# Allegro board PCIe3_0_X16_V1_0-166-20240802_20240828_pcb.brd (continued)
## Copper pours and planes (outline as drawn; the poured copper is in the pictures) (continued)
GND on BOTTOM (solid shape): 185.91,67.11 185.91,62.71 185.88,62.69 185.73,62.69 185.73,62.69 178.95,62.69 178.39,62.13 178.39,58.16 178.28,58.05 177.62,58.05 177.57,58.1 177.57,59.81 177.43,59.95 175.49,59.95 175.29,59.74 175.29,57.07 174.88,56.67 168.71,56.67 168.38,57 168.38,58.85 168.88,59.35 168.88,62 168.38,62.5 168.38,63.02 183.52,63.02 183.52,63.04 185.58,63.04 185.58,63.3 185.27,63.3 185.27,63.04 184.54,63.04 184.54,63.32 184.23,63.32 184.23,63.04 183.52,63.04 183.52,63.32 183.21,63.32 183.21,63.02 168.38,63.02 168.38,63.32 181.61,63.32 181.61,63.6 181.21,63.6 181.21,63.32 168.38,63.32 168.38,66.57 185.3,66.57 185.3,66.88 184.99,66.88 184.99,66.57 168.38,66.57 168.38,66.58 168.97,67.17 185.85,67.17
GND on BOTTOM (solid shape): 41.66,73.93 40.51,73.93 40.39,74.06 40.39,76.19 40.31,76.27 25.83,76.27 25.78,76.21 25.78,64.33 25.88,64.23 40.28,64.23 40.44,64.38 40.44,67.17 41.53,67.17 41.61,67.1 41.61,59.6 40.51,59.6 40.46,59.65 40.46,61.89 40.34,62.02 25.93,62.02 25.78,61.86 25.78,50.1 25.88,50 40.34,50 40.46,50.13 40.46,52.87 40.51,52.92 41.53,52.92 41.63,52.82 41.63,45.48 41.58,45.43 40.51,45.43 40.41,45.53 40.41,47.67 40.31,47.77 25.88,47.77 25.78,47.67 25.78,35.83 25.88,35.73 40.23,35.73 40.39,35.88 40.39,38.65 40.41,38.67 41.5,38.67 41.58,38.6 41.58,31.16 41.53,31.1 40.46,31.1 40.41,31.16 40.41,33.36 40.26,33.52 25.93,33.52 25.78,33.36 25.78,21.55 25.91,21.43 40.26,21.43 40.44,21.6 40.44,24.37 41.53,24.37 41.53,19.22 41.43,19.12 0.89,19.12 0.66,19.34 0.66,78.25 0.79,78.37 41.66,78.37
GND on BOTTOM (solid shape): 185.91,89.46 185.91,85.07 185.88,85.04 185.73,85.04 185.73,85.04 178.95,85.04 178.39,84.48 178.39,82.32 178.36,82.3 175.49,82.3 175.29,82.09 175.29,79 174.7,78.4 166.54,78.4 166.27,78.68 166.27,80.53 166.52,80.79 168.15,80.79 168.17,80.81 168.68,80.81 168.88,81.02 168.88,84.57 168.81,84.65 168.61,84.65 168.38,84.87 168.38,85.37 183.52,85.37 183.52,85.4 185.58,85.4 185.58,85.65 185.27,85.65 185.27,85.4 184.54,85.4 184.54,85.68 184.23,85.68 184.23,85.4 183.52,85.4 183.52,85.68 183.21,85.68 183.21,85.37 168.38,85.37 168.38,85.68 181.61,85.68 181.61,85.96 181.21,85.96 181.21,85.68 168.38,85.68 168.38,88.93 184.28,88.93 184.99,88.93 185.3,88.93 185.3,89.23 184.99,89.23 184.99,88.93 184.28,88.93 184.28,89.18 183.97,89.18 183.97,88.93 168.38,88.93 168.38,88.94 168.97,89.52 185.85,89.52
GND on BOTTOM (solid shape): 127.24,95.89 129.83,95.89 130.09,95.62 130.09,90.09 131.71,88.47 131.71,66.12 131.58,65.99 130.67,65.99 130.54,66.12 130.54,73.63 130.82,73.91 130.82,76.45 130.41,76.86 128.97,76.86 128.96,76.87 128.04,76.87 127.81,77.09 127.81,78.66 127.53,78.94 124.51,78.94 123.65,79.81 123.65,79.95 123.75,80.23 123.65,80.51 123.65,80.8 123.75,80.9 125.04,80.9 125.32,80.8 125.6,80.9 125.96,80.9 126.16,81.1 126.16,87.48 126.19,87.55 126.27,87.58 126.71,87.99 126.27,88.39 126.19,88.42 126.16,88.49 126.16,92.11 126.76,92.71 126.76,95.45 127.2,95.9 127.23,95.9
GND on BOTTOM (solid shape): outline of 109 points within 87.56,71.98 90.89,74.45
GND on BOTTOM (solid shape): outline of 450 points within 45.36,16.31 60.38,26.59
GND on BOTTOM (solid shape): outline of 527 points within 130.66,15.49 143.33,30.86
GND on BOTTOM (solid shape): outline of 739 points within 18.54,3.59 212.16,110.52
GND on GND02 (solid shape): outline of 98494 points within 0.64,0.64 212.16,110.52
GND on ART03 (solid shape): outline of 12162 points within 0.64,0.64 212.16,110.52
GND on GND04 (solid shape): outline of 98272 points within 0.64,0.64 212.16,110.52
GND on ART05 (solid shape): outline of 34231 points within 0.64,0.69 212.16,110.52
GND on GND06 (solid shape): outline of 98272 points within 0.64,0.64 212.16,110.52
GND on POWER07 (solid shape): outline of 15361 points within 0.64,0.64 212.16,110.52
GND on POWER08 (solid shape): outline of 9083 points within 0.64,0.64 212.16,110.52
GND on GND09 (solid shape): outline of 98272 points within 0.64,0.64 212.16,110.52
GND on ART10 (solid shape): outline of 5442 points within 0.64,0.64 212.16,110.52
GND on GND11 (solid shape): outline of 98272 points within 0.64,0.64 212.16,110.52
GND on ART12 (solid shape): outline of 125 points within 58.74,0.64 129.87,12.8
GND on ART12 (solid shape): outline of 16179 points within 0.64,0.64 212.16,110.52
GND on GND13 (solid shape): outline of 98531 points within 0.64,0.64 212.16,110.52
VCC1V2 on TOP (solid shape): 164.82,74.68 164.82,63.15 164.33,62.66 164.33,57.53 163.75,56.95 159.28,56.95 158.9,57.33 158.9,74.91 159.1,75.11 164.39,75.11
VCC1V2 on TOP (solid shape): 141.01,100.66 141.01,98.3 140.8,98.09 134.73,98.09 134.61,98.22 134.61,98.86 134.73,98.98 138.67,98.98 139.05,99.36 139.05,100.76 139.18,100.89 140.78,100.89
VCC1V2 on TOP (solid shape): 97.69,86.46 97.69,85.5 97.28,85.09 90.47,85.09 88.21,82.83 88.21,34.04 85.41,31.23 85.41,29.41 85.28,29.29 84.75,29.29 84.69,29.34 84.69,30.61 84.54,30.76 82.81,30.76 82.64,30.94 82.64,32.38 86.41,36.16 86.41,48.38 86.49,48.63 86.41,48.88 86.41,83.31 89.76,86.66 97.49,86.66
VCC1V2 on BOTTOM (solid shape): 164.37,71.31 164.37,57.18 164.14,56.95 159.75,56.95 159.15,57.55 159.15,71.85 159.2,71.9 163.78,71.9
VCC1V2 on ART03 (solid shape): outline of 1257 points within 123.66,56.67 164.21,100.76
VCC1V2 on ART12 (solid shape): outline of 3534 points within 94.64,85.95 141.58,105.33
VCC1V2_VCCO on BOTTOM (solid shape): 158.36,71.9 158.36,62.37 158.21,62.22 156.56,62.22 156.33,62.45 156.33,71.72 156.64,72.02 158.24,72.02
VCC1V2_VCCO on BOTTOM (solid shape): outline of 1010 points within 87.41,66.71 96.95,71.58
VCC1V2_VCCO on BOTTOM (solid shape): outline of 4614 points within 114.81,51.1 130.14,63.7
VCC1V2_VCCO on POWER07 (solid shape): outline of 66093 points within 67.28,34.49 164.54,93.22
VCC1V5_MGT on TOP (solid shape): 169.93,34.22 169.93,29.01 168.08,27.15 168.08,20.44 168.06,20.43 168.06,16.02 167.46,15.42 143.05,15.42 142.84,15.63 142.84,17.73 143.43,17.73 143.43,18.06 143.13,18.06 143.13,17.73 142.84,17.73 142.84,21.78 143.23,22.17 152.65,22.17 164.83,34.35 166.26,34.35 166.27,34.37 169.78,34.37
VCC1V5_MGT on BOTTOM (solid shape): 168.05,25.12 168.05,20.42 167.82,20.19 164.95,20.19 164.67,20.47 164.67,25.12 164.95,25.4 167.77,25.4
VCC1V8 on TOP (solid shape): 169.93,53.27 169.93,48.06 168.1,46.23 168.1,42.8 168.12,42.78 168.12,38.2 167.92,38 163.07,38 162.84,38.23 162.84,52.65 163.6,53.42 169.78,53.42
VCC1V8 on BOTTOM (solid shape): 168.05,44.17 168.05,38.25 167.8,38 164.95,38 164.44,38.51 164.44,44.27 164.62,44.45 167.77,44.45
VCC1V8 on BOTTOM (solid shape): 113.54,109.23 113.54,104.08 113.42,103.96 112.89,103.96 110.55,103.96 110.45,103.86 110.45,101.96 110.3,101.8 109.8,101.8 109.71,101.71 109.71,101.21 109.54,101.04 105.75,101.04 105.67,101.12 105.67,102.42 106.12,102.87 106.12,106.01 109,108.89 113.27,108.89 113.27,109.17 112.96,109.17 112.96,108.89 109,108.89 109.61,109.5 113.27,109.5
VCC1V8 on BOTTOM (solid shape): outline of 1270 points within 62.43,51.36 104.94,63.91
VCC1V8 on POWER07 (solid shape): outline of 24648 points within 26.54,17.04 199.92,109.45
VCC1V8 on ART10 (solid shape): outline of 4810 points within 106.27,37.54 167.39,108.53
VCC1V8_AUX on BOTTOM (solid shape): outline of 2730 points within 101.68,69.57 114.89,100.66
VCC1V8_VCCO on BOTTOM (solid shape): 111.49,98.88 111.49,96.27 111.39,96.16 107.55,96.16 107.47,96.25 107.47,97.31 107.78,97.62 107.78,99.97 107.99,100.18 110.2,100.18
VCC1V8_VCCO on ART05 (solid shape): outline of 26946 points within 90.7,50.75 127.59,99.14
VCC2V5 on TOP (solid shape): 131.07,91.31 131.07,89.48 130.92,89.33 128.86,89.33 128.74,89.46 128.74,91.34 128.81,91.41 130.97,91.41
VCC2V5_DDR4 on TOP (solid shape): outline of 1526 points within 69.48,33.81 148.22,94.67
VCC3V3 on TOP (solid shape): 24.61,16.32 24.61,14.77 24.54,14.7 22.91,14.7 22.73,14.87 22.73,16.35 22.86,16.47 24.46,16.47
VCC3V3 on TOP (solid shape): 52.86,76.16 52.86,68.01 52.78,67.93 51.03,67.93 50.72,68.24 50.72,76.06 50.95,76.29 52.73,76.29
VCC3V3 on TOP (solid shape): 52.86,61.91 52.86,53.76 52.78,53.68 51.03,53.68 50.72,53.99 50.72,61.81 50.95,62.04 52.73,62.04
VCC3V3 on TOP (solid shape): 52.86,47.66 52.86,40.78 52.32,40.25 50.8,40.25 50.72,40.32 50.72,47.56 50.95,47.79 52.73,47.79
VCC3V3 on TOP (solid shape): 52.86,33.41 52.86,26.71 52.15,26 50.77,26 50.72,26.05 50.72,33.31 50.95,33.54 52.73,33.54
VCC3V3 on TOP (solid shape): 99.58,106.96 99.58,105.36 99.48,105.26 96.78,105.26 96.73,105.31 96.73,106.98 96.91,107.16 99.38,107.16
VCC3V3 on TOP (solid shape): 90.09,31.62 90.09,29.87 89.76,29.54 89.49,29.54 89.42,29.46 88.73,29.46 88.63,29.57 88.63,31.53 88.8,31.7 90.02,31.7
VCC3V3 on TOP (solid shape): 126.76,100.46 128.43,100.46 128.51,100.38 128.51,99.01 128.41,98.91 126.83,98.91 126.53,99.21 125.14,99.21 125.09,99.26 125.09,100.9 125.25,101.06 126.15,101.06
VCC3V3 on TOP (solid shape): 88.15,107.08 88.15,105.36 88.05,105.26 85.8,105.26 85.57,105.49 85.14,105.49 85.01,105.61 85.01,107.04 85.14,107.16 88.06,107.16
VCC3V3 on TOP (solid shape): 205.29,86.42 205.29,81.87 205.13,81.72 199.93,81.72 198.1,83.55 194.67,83.55 194.65,83.53 190.06,83.53 189.87,83.73 189.87,86.27 190.34,86.74 204.96,86.74
VCC3V3 on BOTTOM (solid shape): 196.32,86.45 196.32,83.88 196.04,83.6 190.12,83.6 189.87,83.86 189.87,86.32 190.25,86.7 196.07,86.7
VCC3V3 on BOTTOM (solid shape): 96.8,95.94 96.8,93.78 96.72,93.7 95.43,93.7 95.22,93.9 95.22,95.96 95.43,96.16 96.57,96.16
VCC3V3 on BOTTOM (solid shape): 37.74,94.17 37.74,92.65 37.52,92.42 36.98,92.42 36.75,92.19 36.75,89.85 36.98,89.63 37.62,89.63 37.95,89.3 37.95,84.29 37.67,84.01 35.61,84.01 35.46,84.16 35.46,84.75 37.57,84.75 37.57,85.05 37.24,85.05 37.24,84.75 35.46,84.75 35.46,93.94 35.84,94.32 37.59,94.32
VCC3V3 on ART05 (solid shape): outline of 807 points within 51.94,17.14 134.91,29.77
VCC3V3 on POWER08 (solid shape): outline of 60861 points within 23.29,11.73 195.97,109.45
VCC12V_FAN on TOP (solid shape): 176.71,105.53 176.71,101.67 176.5,101.46 174.52,101.46 174.37,101.61 174.37,102.15 174.39,102.18 174.42,102.2 175.01,102.2 175.01,102.5 174.42,102.5 174.39,102.52 174.37,102.55 174.37,102.78 174.39,102.82 174.42,102.83 175.01,102.83 175.01,103.19 174.42,103.19 174.39,103.2 174.37,103.24 174.37,103.49 174.4,103.52 175.16,103.52 175.36,103.72 175.36,105.81 175.41,105.86 176.38,105.86
VCC12V_IN on TOP (solid shape): 177.3,81.89 178.29,81.89 178.41,81.76 178.41,79.61 178.24,79.43 176.15,79.43 175.9,79.68 175.9,81.89 176.12,82.12 177.07,82.12
VCC12V_IN on TOP (solid shape): 177.3,59.54 178.29,59.54 178.41,59.41 178.41,57.25 178.24,57.08 176.1,57.08 175.87,57.3 175.87,59.46 176.17,59.77 177.07,59.77
VCC12V_IN on TOP (solid shape): 177.3,40.36 178.29,40.36 178.41,40.24 178.41,38.08 178.24,37.9 176.07,37.9 175.87,38.1 175.87,40.41 176.05,40.59 177.07,40.59
VCC12V_IN on TOP (solid shape): 177.3,21.31 178.29,21.31 178.41,21.19 178.41,19.03 178.24,18.85 175.98,18.85 175.86,18.97 175.86,21.31 176.09,21.54 177.07,21.54
VCC12V_IN on TOP (solid shape): 192.46,75.56 192.46,74.59 192.23,74.36 192.23,73.37 192.1,73.24 189.95,73.24 189.77,73.42 189.77,75.59 189.97,75.79 192.23,75.79
VCC12V_IN on TOP (solid shape): 192.46,44.32 192.46,43.2 192.23,42.97 192.23,41.98 192.1,41.85 189.95,41.85 189.77,42.03 189.77,44.15 190.01,44.38 192.39,44.38
VCC12V_IN on TOP (solid shape): 165.55,103.8 167.92,103.8 167.95,103.82 168.35,103.82 168.5,103.67 168.5,102 168.33,101.82 165.74,101.82 165.38,102.17 165.38,103.7 165.51,103.82 165.53,103.82
VCC12V_IN on TOP (solid shape): 52.25,16.84 52.25,13.55 51.71,13.02 50.19,13.02 50.07,12.9 49.76,12.71 49.57,12.4 49.46,12.29 49.46,10.83 48.12,9.48 48.12,7.33 48.01,7.22 48.01,1.35 47.99,1.31 47.96,1.3 47.95,1.29 45.41,1.29 45.39,1.31 45.39,5.4 45.64,5.64 45.64,13.8 46.13,14.49 45.64,15.19 45.64,16.96 45.85,17.17 51.92,17.17
VCC12V_IN on BOTTOM (solid shape): 53.54,16.03 53.54,13.65 52.83,12.94 49.68,12.94 49.26,12.52 49.26,10.57 48.03,9.34 48.03,1.37 47.97,1.31 46.34,1.31 46.33,1.32 46.29,1.34 46.28,1.37 46.28,15.94 46.38,16.04 53.53,16.04
VCC12V_IN on ART10 (solid shape): outline of 15843 points within 45.95,6.06 197.03,103.46
FPGA_VCCINT_0V85 on TOP (solid shape): 164.82,97.03 164.82,85.34 164.39,84.92 164.39,81.33 164.82,80.9 164.82,79.68 164.81,79.68 164.81,78.52 164.49,78.2 159.31,78.2 158.9,78.61 158.9,97.26 159.1,97.46 164.39,97.46
FPGA_VCCINT_0V85 on BOTTOM (solid shape): outline of 326 points within 124.6,66.6 130.54,75.36
FPGA_VCCINT_0V85 on BOTTOM (solid shape): outline of 2704 points within 114.89,78.23 164.82,109.18
FPGA_VCCINT_0V85 on POWER07 (solid shape): outline of 25796 points within 102.06,52.04 164.54,109.45
FPGA_VCCINT_0V85 on POWER08 (solid shape): outline of 49741 points within 101.07,34.32 164.77,87.93
MGTAVCC on TOP (solid shape): 204.93,57.15 204.93,50.64 204.62,50.34 199.93,50.34 197.94,52.32 191.37,52.32 190.99,52.7 190.99,55.44 191,55.46 191,56.96 191.02,56.98 191.02,57.42 191.29,57.68 204.4,57.68
MGTAVCC on BOTTOM (solid shape): 196.7,57.63 196.7,52.58 196.34,52.22 191.04,52.22 190.86,52.4 190.86,55.57 190.86,55.57 190.86,57.53 191.16,57.84 196.5,57.84
MGTAVCC on BOTTOM (solid shape): outline of 442 points within 113.11,77.08 119.49,79.88
MGTAVCC on ART12 (solid shape): outline of 25699 points within 89.66,18.62 196.75,79.76
MGTAVTT on TOP (solid shape): 138.19,28.85 138.19,24.71 138.12,24.64 138.11,24.64 137.91,24.65 137.89,24.66 137.89,24.69 137.89,25.45 137.63,25.45 137.63,24.69 137.62,24.66 137.61,24.65 137.4,24.65 137.39,24.66 137.38,24.69 137.38,25.43 137.15,25.43 137.15,24.69 137.14,24.66 137.13,24.65 136.92,24.65 136.9,24.66 136.9,24.69 136.9,25.43 136.62,25.43 136.62,24.69 136.61,24.66 136.59,24.65 136.38,24.65 136.37,24.66 136.36,24.69 136.36,25.43 136.16,25.43 136.16,24.69 136.15,24.66 136.14,24.65 135.9,24.64 135.84,24.7 135.84,25.62 135.82,25.64 135.82,25.85 135.8,25.86 135.8,26.19 136.51,26.19 136.51,26.52 136.13,26.52 136.13,26.19 135.8,26.19 135.8,27.08 135.42,27.46 135.42,30.45 135.63,30.66 136.39,30.66
MGTAVTT on BOTTOM (solid shape): outline of 425 points within 119.74,76.56 126.05,79.86
MGTAVTT on BOTTOM (solid shape): outline of 437 points within 118.1,48.01 125.31,51.84
MGTAVTT on POWER08 (solid shape): outline of 20449 points within 84.05,14.83 138.43,87.93
MGTAVTT on ART12 (solid shape): outline of 4397 points within 89.85,76.63 121.39,86.51
MGTVCCAUX on BOTTOM (solid shape): outline of 4056 points within 99.65,49.56 116.98,81.84
MGTVCCAUX_1V8 on BOTTOM (solid shape): 102.13,84.61 102.13,82.67 101.97,82.5 100.51,82.5 100.32,82.56 100.13,82.5 99.65,82.5 99.58,82.58 99.58,82.91 100.65,83.97 100.65,84.91 100.7,84.96 101.78,84.96
Net_1 on GND02 (solid shape): outline of 275 points within -4.5,5.02 -0.5,110.65
Net_1 on GND02 (solid shape): outline of 275 points within 213.3,13.25 217.3,110.65
Net_1 on GND04 (solid shape): outline of 275 points within -4.5,5.02 -0.5,110.65
Net_1 on GND04 (solid shape): outline of 275 points within 213.3,13.25 217.3,110.65
Net_1 on GND06 (solid shape): outline of 275 points within -4.5,5.02 -0.5,110.65
Net_1 on GND06 (solid shape): outline of 275 points within 213.3,13.25 217.3,110.65
Net_1 on POWER07 (solid shape): outline of 275 points within -4.5,5.02 -0.5,110.65
Net_1 on POWER07 (solid shape): outline of 275 points within 213.3,13.25 217.3,110.65
Net_1 on POWER08 (solid shape): outline of 275 points within -4.5,5.02 -0.5,110.65
Net_1 on POWER08 (solid shape): outline of 275 points within 213.3,13.25 217.3,110.65
Net_1 on GND09 (solid shape): outline of 275 points within -4.5,5.02 -0.5,110.65
Net_1 on GND09 (solid shape): outline of 275 points within 213.3,13.25 217.3,110.65
Net_1 on GND11 (solid shape): outline of 275 points within -4.5,5.02 -0.5,110.65
Net_1 on GND11 (solid shape): outline of 275 points within 213.3,13.25 217.3,110.65
Net_1 on GND13 (solid shape): outline of 275 points within -4.5,5.02 -0.5,110.65
Net_1 on GND13 (solid shape): outline of 275 points within 213.3,13.25 217.3,110.65
Net_231 on BOTTOM (solid shape): outline of 429 points within -4.5,5.02 -0.5,110.65
Net_231 on ART03 (solid shape): outline of 275 points within -4.5,5.02 -0.5,110.65
Net_231 on ART03 (solid shape): outline of 275 points within 213.3,13.25 217.3,110.65
Net_231 on ART05 (solid shape): outline of 275 points within -4.5,5.02 -0.5,110.65
Net_231 on ART05 (solid shape): outline of 275 points within 213.3,13.25 217.3,110.65
Net_231 on ART10 (solid shape): outline of 275 points within -4.5,5.02 -0.5,110.65
Net_231 on ART10 (solid shape): outline of 275 points within 213.3,13.25 217.3,110.65
Net_231 on ART12 (solid shape): outline of 275 points within -4.5,5.02 -0.5,110.65
Net_231 on ART12 (solid shape): outline of 275 points within 213.3,13.25 217.3,110.65
Net_232 on BOTTOM (solid shape): outline of 429 points within 213.3,13.25 217.3,110.65
Net_233 on TOP (solid shape): outline of 429 points within -4.5,5.02 -0.5,110.65
Net_233 on TOP (solid shape): outline of 429 points within 213.3,13.25 217.3,110.65
PCIE_VCC3V3 on TOP (solid shape): 55.02,9.92 55.02,6.44 54.84,6.26 53.19,6.26 53.01,6.09 53.01,1.37 52.99,1.34 52.96,1.32 52.35,1.32 52.31,1.34 52.3,1.37 52.3,6.95 53.31,7.96 53.31,9.92 53.47,10.07 54.86,10.07
PCIE_VCC3V3 on BOTTOM (solid shape): 55.02,9.95 55.02,1.37 55,1.34 54.97,1.32 54.36,1.32 54.32,1.34 54.31,1.37 54.31,5.45 54,5.45 54,1.37 53.99,1.34 53.95,1.32 53.37,1.32 53.33,1.34 53.31,1.37 53.31,10.05 53.37,10.1 54.86,10.1
VTTDDR4_1 on TOP (solid shape): outline of 176 points within 64.63,25.5 83.45,44.37
VTTDDR4_1 on BOTTOM (solid shape): outline of 125 points within 67.06,27.2 78.52,31.55
VTTDDR4_2 on TOP (solid shape): outline of 94 points within 133.82,83.24 153.4,106.22
VTTDDR4_2 on BOTTOM (solid shape): outline of 86 points within 152,82.98 153.4,97.71
VTTDDR4_2 on ART05 (solid shape): outline of 558 points within 134.94,83.36 155.81,103.63
VTTVREF_DDR4_1 on TOP (solid shape): 72.68,94.35 72.68,93.01 72.63,92.96 71.12,92.96 71.04,93.01 71.04,93.11 70.75,93.6 70.46,93.11 70.46,93.01 70.37,92.96 68.46,92.96 67.27,91.77 67.27,82.63 68.26,81.64 72.43,81.64 72.68,81.38 72.68,80.44 72.63,80.39 68.29,80.39 67.27,79.38 67.27,69.67 67.88,69.06 72.43,69.06 72.68,68.81 72.68,67.87 72.63,67.82 67.93,67.82 67.28,67.17 67.28,66.66 67.27,66.65 67.27,56.9 67.68,56.49 72.43,56.49 72.68,56.24 72.68,55.3 72.63,55.24 67.73,55.24 67.27,54.79 67.27,47.32 69.94,44.65 71.33,44.65 72.58,43.41 72.58,42.72 72.48,42.62 70.32,42.62 68.11,44.83 64.29,44.83 63.52,44.06 63.52,26.44 68.31,21.65 84.39,21.65 85.66,22.91 85.66,25.26 85.7,25.3 86.28,25.3 86.61,24.97 87.73,24.97 87.76,24.94 87.76,23.14 87.74,23.13 87.74,22.92 85.45,20.63 67.37,20.63 62.37,25.63 62.37,47.16 64.69,49.48 64.69,91.61 67.75,94.67 72.36,94.67
VTTVREF_DDR4_2 on TOP (solid shape): 156.7,102.44 156.7,81.74 153.05,78.09 153.05,47.85 151.03,45.82 145.31,45.82 145.15,45.99 145.15,47.04 145.22,47.12 148.8,47.12 150,48.31 150,57.51 149.98,57.52 149.98,58 149.46,58.52 145.45,58.52 144.99,58.98 144.99,59.59 145.07,59.66 149.82,59.66 150,59.84 150,69.93 148.82,71.11 145.21,71.11 145.06,71.26 145.06,72.12 145.12,72.19 149.54,72.19 150,72.64 150,80.85 147.79,83.06 145.32,83.06 145.04,83.34 145.04,84.61 145.26,84.82 145.79,84.82 146.37,84.25 148.27,84.25 149.97,82.55 153.58,82.55 153.61,82.54 153.63,82.5 154.04,82.09 154.44,82.5 154.45,82.52 154.46,82.54 154.81,82.89 154.81,101.9 149.35,107.37 132.15,107.37 131.6,106.81 131.6,104.36 131.43,104.19 129.7,104.19 129.49,104.41 129.49,105.85 129.49,105.86 129.49,106.5 131.81,108.82 150.32,108.82
N16790074 on BOTTOM (solid shape): outline of 461 points within 113.65,97.83 118.63,105.61
N16851626 on TOP (solid shape): 89.65,106.15 89.65,102.79 89.72,102.72 89.72,102.29 90.82,101.19 90.82,100.42 90.88,100.17 91.05,99.96 91.05,99.94 91.05,99.81 91.07,99.81 91.07,99.64 91.04,99.62 90.06,99.62 89.56,100.12 89.12,100.12 89.01,100.23 89.01,103.05 88.73,103.33 88.73,106.12 88.78,106.17 89.62,106.17
N16872741 on TOP (solid shape): 101.08,106.15 101.08,102.79 101.15,102.72 101.15,102.29 102.25,101.19 102.25,100.42 102.31,100.17 102.48,99.96 102.48,99.94 102.48,99.81 102.5,99.81 102.5,99.64 102.47,99.62 101.56,99.62 101.2,99.97 100.7,99.97 100.44,100.23 100.44,103.05 100.16,103.33 100.16,106.12 100.21,106.17 101.05,106.17
N16934040 on TOP (solid shape): 182.62,85.36 182.62,84.49 182.25,84.13 182.25,83.75 182.66,83.34 182.66,79.17 182.65,79.17 182.65,78.69 182.5,78.54 179.45,78.54 179.07,78.91 179.07,84.48 181.84,84.48 181.84,84.51 182.35,84.51 182.35,85.34 182.12,85.34 182.12,84.51 181.84,84.51 181.84,85.34 181.61,85.34 181.61,84.48 179.07,84.48 179.07,84.51 181.33,84.51 181.33,85.34 181.1,85.34 181.1,84.51 180.82,84.51 180.82,85.34 180.62,85.34 180.62,84.51 180.34,84.51 180.34,85.34 180.11,85.34 180.11,84.51 179.07,84.51 179.07,85.17 179.35,85.45 182.53,85.45
N16934040 on BOTTOM (solid shape): 181.53,83.11 182.55,83.11 182.62,83.04 182.62,79.06 182.62,78.78 182.5,78.65 179.43,78.65 179.28,78.8 179.28,83.59 179.35,83.67 180.97,83.67
N16934962 on TOP (solid shape): 182.61,96.57 182.61,89.45 182.36,89.45 182.33,89.47 182.33,90.36 182.28,90.41 182.16,90.41 182.11,90.36 182.11,89.47 182.09,89.45 181.83,89.45 181.83,90.35 181.78,90.4 181.66,90.4 181.61,90.35 181.61,89.45 181.35,89.45 181.32,89.47 181.32,90.38 181.27,90.44 181.16,90.44 181.11,90.38 181.11,89.45 180.85,89.45 180.82,89.47 180.82,90.41 180.77,90.46 180.65,90.46 180.6,90.41 180.6,89.47 180.58,89.45 180.35,89.45 180.33,89.47 180.33,90.42 180.28,90.47 180.15,90.47 180.1,90.42 180.1,89.45 173.38,89.45 173.38,99.7 173.61,99.93 179.25,99.93
N16938331 on TOP (solid shape): 182.62,43.83 182.62,42.97 182.25,42.6 182.25,42.22 182.66,41.81 182.66,37.64 182.4,37.39 179.63,37.39 179.07,37.95 179.07,42.03 179.41,42.67 179.07,43.32 179.07,43.64 179.35,43.92 182.53,43.92
N16938331 on BOTTOM (solid shape): 181.64,41.58 182.55,41.58 182.62,41.51 182.62,37.54 182.5,37.42 179.53,37.42 179.28,37.67 179.28,41.43 179.43,41.58 181.64,41.58
N16938407 on TOP (solid shape): 182.61,53.37 182.61,49.66 182.35,49.36 182.46,48.98 182.46,48.92 182.61,48.77 182.61,47.92 182.36,47.92 182.33,47.94 182.33,48.83 182.28,48.88 182.16,48.88 182.11,48.83 182.11,47.94 182.09,47.92 181.83,47.92 181.83,48.82 181.78,48.87 181.66,48.87 181.61,48.82 181.61,47.92 181.35,47.92 181.32,47.94 181.32,48.86 181.27,48.91 181.16,48.91 181.11,48.86 181.11,47.92 180.85,47.92 180.82,47.94 180.82,48.88 180.77,48.93 180.65,48.93 180.6,48.88 180.6,47.94 180.58,47.92 180.35,47.92 180.33,47.94 180.33,48.89 180.28,48.94 180.15,48.94 180.1,48.89 180.1,47.92 175.38,47.92 175.26,48.03 175.26,53.06 175.8,53.6 182.38,53.6
N16951014 on TOP (solid shape): 127.44,94.72 127.47,94.71 127.49,94.69 127.49,94.67 127.49,94.08 127.77,94.08 127.77,94.67 127.78,94.69 127.79,94.71 127.9,94.72 127.98,94.64 127.98,93.93 127.8,93.75 127.79,93.74 127.75,93.7 127.75,91.57 127.98,91.34 127.98,89.94 127.85,89.81 125.49,89.81 125.2,90.1 125.2,91.74 127.33,91.74 127.33,92 127.08,92 127.08,91.74 125.2,91.74 125.2,94.56 125.35,94.72
N16951043 on TOP (solid shape): 127.96,98.23 127.96,97.09 128,97.05 128,96.39 127.95,96.35 127.8,96.35 127.76,96.36 127.75,96.4 127.75,96.98 127.49,96.98 127.49,96.4 127.48,96.36 127.44,96.35 127.17,96.35 127.17,96.34 127.01,96.34 126.99,96.32 126.99,95.22 126.81,95.05 125.3,95.05 125.12,95.22 125.12,98.3 125.22,98.4 127.8,98.4
N17001920 on BOTTOM (solid shape): 50.27,90.06 50.27,89.68 50.09,89.5 49.58,89.5 47.91,87.83 47.91,84.04 44.92,81.06 44.88,81.02 44.84,80.99 42.82,80.99 42.11,81.7 42.11,85.94 41.91,86.15 39.9,86.15 39.62,85.87 38.61,85.87 38.56,85.92 38.56,87.37 38.61,87.42 38.89,87.42 38.89,87.42 42.24,87.42 43.13,86.53 43.13,82.31 43.13,82.11 43.41,81.83 44.15,81.83 44.16,81.84 44.34,81.84 46.67,84.18 46.67,88.18 47.32,88.82 47.32,90.14 47.39,90.21 50.11,90.21
N17001923 on BOTTOM (solid shape): 50.27,91.08 50.27,90.63 50.11,90.47 47.37,90.47 47.27,90.58 47.27,91.24 47.32,91.29 50.06,91.29
N17001923 on BOTTOM (solid shape): 42.6,89.09 42.6,87.87 42.42,87.7 38.66,87.7 38.56,87.8 38.56,89.19 38.58,89.22 38.84,89.22 40.03,89.22 42.47,89.22
N17001923 on ART05 (solid shape): 50.19,91.53 50.19,90.59 49.99,90.39 49.15,90.39 48.64,89.88 48.64,89.12 46.74,87.21 46.74,82.89 44.75,80.91 42.91,80.91 41.96,81.86 41.96,89.02 42.19,89.24 42.93,89.24 43.43,88.74 43.43,82.26 43.81,81.88 43.96,81.88 44.04,81.87 44.2,81.88 44.24,81.92 44.33,81.99 44.39,82.08 44.58,82.26 44.58,82.27 45.59,83.29 45.59,89 48.38,91.78 49.94,91.78
N17001939 on BOTTOM (solid shape): 39.78,93.74 42.14,93.74 43.29,92.58 43.53,91.94 43.53,90.1 43.76,89.87 45.03,89.87 45.11,89.79 45.11,89.2 45.01,89.1 42.98,89.1 42.8,89.28 42.8,91.89 42.24,92.45 38.76,92.45 38.56,92.65 38.56,93.97 38.58,94 38.97,94 39.52,94
N17005157 on TOP (solid shape): 49.86,71.26 49.86,69.97 49.81,69.92 44.53,69.92 44.42,70.02 44.42,71.13 44.58,71.29 49.83,71.29
N17005157 on BOTTOM (solid shape): 46.13,70.7 46.13,70.14 43.92,67.94 40.23,67.94 38.48,69.69 37.6,69.69 37.59,69.69 37.47,69.71 37.35,69.69 37.34,69.69 36.84,69.69 36.83,69.69 36.71,69.71 36.58,69.69 36.58,69.69 36.5,69.69 36.45,69.74 36.45,70.27 36.49,70.31 39.33,70.31 40.4,69.24 42.33,69.24 42.34,69.26 42.93,69.26 44.6,70.93 45.9,70.93
N17005403 on TOP (solid shape): 49.91,73.22 49.91,71.62 49.83,71.54 44.69,71.54 44.41,71.82 44.41,72.29 45.42,73.29 49.83,73.29
N17005403 on BOTTOM (solid shape): 44.81,72.43 46.35,72.43 46.51,72.28 46.51,71.41 46.31,71.21 41.1,71.21 41.03,71.22 40.95,71.21 40.36,71.21 39.75,70.6 36.47,70.6 36.45,70.63 36.45,71.11 36.5,71.16 38.66,71.16 39.93,72.43 44.8,72.43
N17005939 on TOP (solid shape): 49.86,57.01 49.86,55.72 49.81,55.67 44.53,55.67 44.42,55.77 44.42,56.88 44.58,57.04 49.83,57.04
N17005939 on BOTTOM (solid shape): 46.13,56.45 46.13,55.89 43.92,53.69 40.23,53.69 38.48,55.44 37.6,55.44 37.59,55.44 37.47,55.46 37.35,55.44 37.34,55.44 36.84,55.44 36.83,55.44 36.71,55.46 36.58,55.44 36.58,55.44 36.5,55.44 36.45,55.49 36.45,56.02 36.49,56.06 39.33,56.06 40.4,54.99 42.33,54.99 42.34,55.01 42.93,55.01 44.6,56.68 45.9,56.68
N17006006 on TOP (solid shape): 49.91,58.97 49.91,57.37 49.83,57.29 44.69,57.29 44.41,57.57 44.41,58.04 45.42,59.04 49.83,59.04
N17006006 on BOTTOM (solid shape): 44.81,58.18 46.35,58.18 46.51,58.03 46.51,57.16 46.31,56.96 41.1,56.96 41.03,56.97 40.95,56.96 40.36,56.96 39.75,56.35 36.47,56.35 36.45,56.38 36.45,56.86 36.5,56.91 38.66,56.91 39.93,58.18 44.8,58.18
N17006394 on TOP (solid shape): 49.86,42.76 49.86,41.47 49.81,41.42 44.53,41.42 44.42,41.52 44.42,42.63 44.58,42.79 49.83,42.79
N17006394 on BOTTOM (solid shape): 46.13,42.08 46.13,41.64 43.92,39.44 40.23,39.44 38.48,41.19 37.6,41.19 37.59,41.19 37.47,41.21 37.35,41.19 37.34,41.19 36.84,41.19 36.83,41.19 36.71,41.21 36.58,41.19 36.58,41.19 36.5,41.19 36.45,41.24 36.45,41.77 36.49,41.81 39.33,41.81 40.4,40.74 42.33,40.74 42.34,40.76 42.93,40.76 44.37,42.2 46,42.2
N17006461 on TOP (solid shape): 49.91,44.72 49.91,43.12 49.83,43.04 44.69,43.04 44.41,43.32 44.41,43.79 45.42,44.79 49.83,44.79
N17006461 on BOTTOM (solid shape): 44.81,43.93 45.97,43.93 46.1,43.8 46.1,42.97 45.97,42.84 40.49,42.84 39.75,42.1 36.47,42.1 36.45,42.13 36.45,42.61 36.5,42.66 37.8,42.66 39.07,43.93 44.8,43.93
N17006887 on TOP (solid shape): 49.86,28.51 49.86,27.22 49.81,27.17 44.53,27.17 44.42,27.27 44.42,28.39 44.58,28.54 49.83,28.54
N17006887 on BOTTOM (solid shape): 46.13,27.95 46.13,27.39 43.92,25.19 40.23,25.19 38.48,26.94 37.6,26.94 37.59,26.94 37.47,26.96 37.35,26.94 37.34,26.94 36.84,26.94 36.83,26.94 36.71,26.96 36.58,26.94 36.58,26.94 36.5,26.94 36.45,26.99 36.45,27.52 36.49,27.56 39.33,27.56 40.4,26.49 42.33,26.49 42.34,26.51 42.93,26.51 44.6,28.18 45.9,28.18
N17006954 on TOP (solid shape): 49.91,30.47 49.91,28.87 49.83,28.79 44.69,28.79 44.41,29.07 44.41,29.54 45.42,30.54 49.83,30.54
N17006954 on BOTTOM (solid shape): 44.81,29.68 46.35,29.68 46.51,29.53 46.51,28.66 46.31,28.46 41.1,28.46 41.03,28.47 40.95,28.46 40.36,28.46 39.75,27.85 36.47,27.85 36.45,27.88 36.45,28.36 36.5,28.41 38.66,28.41 39.93,29.68 44.8,29.68
N17028921 on TOP (solid shape): 193.58,41.19 193.61,41.16 193.66,41.11 193.73,41.06 193.8,41.01 193.87,40.98 193.94,40.95 194.02,40.93 194.1,40.92 194.18,40.91 194.26,40.92 194.34,40.93 194.42,40.95 194.5,40.98 194.57,41.01 194.64,41.06 194.7,41.11 194.76,41.16 194.79,41.19 195.51,41.19 195.79,40.92 195.79,37.74 195.7,37.65 194.83,37.65 194.54,37.94 195.67,37.94 195.67,38.15 194.83,38.15 194.83,37.94 194.54,37.94 194.47,38.02 194.09,38.02 193.68,37.61 189.51,37.61 189.26,37.87 189.26,38.45 195.67,38.45 195.67,38.65 194.83,38.65 194.83,38.45 189.26,38.45 189.26,38.93 195.69,38.93 195.69,39.16 194.83,39.16 194.83,38.93 189.26,38.93 189.26,39.44 195.69,39.44 195.69,39.67 194.83,39.67 194.83,39.44 189.26,39.44 189.26,39.95 195.69,39.95 195.69,40.15 194.83,40.15 194.83,39.95 189.26,39.95 189.26,40.64 189.82,41.19
N17028921 on BOTTOM (solid shape): 193.45,39.75 193.45,37.71 193.38,37.65 189.4,37.65 189.28,37.77 189.28,39.73 189.59,40.03 193.17,40.03
N17028997 on TOP (solid shape): 205.46,44.47 205.46,37.89 205.24,37.66 201.53,37.66 201.23,37.92 200.85,37.81 200.79,37.81 200.63,37.66 199.79,37.66 199.79,37.91 199.81,37.94 200.7,37.94 200.75,37.99 200.75,38.11 200.7,38.16 199.81,38.16 199.79,38.18 199.79,38.44 200.69,38.44 200.74,38.49 200.74,38.61 200.69,38.66 199.79,38.66 199.79,38.92 199.81,38.95 200.72,38.95 200.78,39 200.78,39.11 200.72,39.16 199.79,39.16 199.79,39.42 199.81,39.45 200.75,39.45 200.8,39.5 200.8,39.61 200.75,39.66 199.81,39.66 199.79,39.69 199.79,39.92 199.81,39.94 200.76,39.94 200.81,39.99 200.81,40.11 200.76,40.17 199.79,40.17 199.79,44.89 199.9,45 204.93,45
N17033354 on TOP (solid shape): 182.62,24.78 182.62,23.92 182.25,23.55 182.25,23.17 182.66,22.76 182.66,17.97 182.53,17.84 179.3,17.84 179.07,18.07 179.07,22.98 179.11,23 179.17,23.06 179.22,23.11 179.27,23.18 179.31,23.24 179.34,23.32 179.37,23.39 179.39,23.47 179.4,23.54 179.41,23.62 179.4,23.7 179.39,23.78 179.37,23.86 179.35,23.91 182.33,23.91 182.33,24.75 182.12,24.75 182.12,23.91 181.82,23.91 181.82,24.75 181.61,24.75 181.61,23.91 181.33,23.91 181.33,24.77 181.11,24.77 181.11,23.91 180.83,23.91 180.83,24.77 180.6,24.77 180.6,23.91 180.32,23.91 180.32,24.77 180.12,24.77 180.12,23.91 179.35,23.91 179.34,23.93 179.31,24 179.27,24.07 179.22,24.13 179.17,24.19 179.11,24.24 179.07,24.27 179.07,24.59 179.35,24.87 182.53,24.87
N17033354 on BOTTOM (solid shape): 182.62,22.31 182.62,18.15 182.53,18.06 180.79,18.06 180.56,18.29 180.56,22.28 180.81,22.53 182.4,22.53
N17033459 on TOP (solid shape): 182.61,34.32 182.61,30.61 182.35,30.31 182.46,29.93 182.46,29.87 182.61,29.72 182.61,28.87 182.36,28.87 182.33,28.89 182.33,29.78 182.28,29.83 182.16,29.83 182.11,29.78 182.11,28.89 182.09,28.87 181.83,28.87 181.83,29.77 181.78,29.82 181.66,29.82 181.61,29.77 181.61,28.87 181.35,28.87 181.32,28.89 181.32,29.81 181.27,29.86 181.16,29.86 181.11,29.81 181.11,28.87 180.85,28.87 180.82,28.89 180.82,29.83 180.77,29.88 180.65,29.88 180.6,29.83 180.6,28.89 180.58,28.87 180.35,28.87 180.33,28.89 180.33,29.84 180.28,29.89 180.15,29.89 180.1,29.84 180.1,28.87 175.38,28.87 175.26,28.98 175.26,34.01 175.8,34.55 182.38,34.55
N17035498 on TOP (solid shape): 193.9,72.58 193.92,72.55 193.98,72.49 194.03,72.43 194.1,72.39 194.16,72.34 194.23,72.31 194.31,72.28 194.39,72.26 194.46,72.25 194.54,72.25 194.62,72.25 194.7,72.26 194.78,72.28 194.85,72.31 194.92,72.34 194.99,72.39 195.05,72.43 195.11,72.49 195.16,72.55 195.18,72.58 195.51,72.58 195.79,72.3 195.79,69.12 195.7,69.04 194.83,69.04 194.57,69.3 195.71,69.3 195.71,69.56 194.82,69.56 194.82,69.3 194.57,69.3 194.55,69.32 194,69.32 193.68,69 189.51,69 189.26,69.25 189.26,69.81 195.68,69.81 195.68,70.06 194.82,70.06 194.82,69.81 189.26,69.81 189.26,70.32 195.68,70.32 195.68,70.55 194.82,70.55 194.82,70.32 189.26,70.32 189.26,70.83 195.68,70.83 195.68,71.05 194.84,71.05 194.84,70.83 189.26,70.83 189.26,71.31 195.68,71.31 195.68,71.56 194.82,71.56 194.82,71.31 189.26,71.31 189.26,72.02 189.82,72.58
N17035498 on BOTTOM (solid shape): 193.45,70.74 193.45,69.1 193.38,69.03 189.4,69.03 189.28,69.15 189.28,70.95 189.43,71.09 193.09,71.09
N17035603 on TOP (solid shape): 205.46,75.86 205.46,69.27 205.24,69.04 201.53,69.04 201.23,69.3 200.85,69.2 200.79,69.2 200.63,69.04 199.79,69.04 199.79,69.3 199.81,69.32 200.7,69.32 200.75,69.37 200.75,69.49 200.7,69.54 199.81,69.54 199.79,69.57 199.79,69.82 200.69,69.82 200.74,69.87 200.74,70 200.69,70.05 199.79,70.05 199.79,70.3 199.81,70.33 200.72,70.33 200.78,70.38 200.78,70.49 200.72,70.55 199.79,70.55 199.79,70.8 199.81,70.83 200.75,70.83 200.8,70.88 200.8,71 200.75,71.05 199.81,71.05 199.79,71.07 199.79,71.31 199.81,71.33 200.76,71.33 200.81,71.38 200.81,71.5 200.76,71.55 199.79,71.55 199.79,76.27 199.9,76.39 204.93,76.39
N17039283 on TOP (solid shape): 182.61,63.01 182.61,62.14 182.24,61.77 182.24,61.39 182.65,60.99 182.65,56.82 182.65,56.82 182.65,56.34 182.49,56.18 179.45,56.18 179.07,56.56 179.07,62.13 181.83,62.13 181.83,62.15 182.34,62.15 182.34,62.99 182.11,62.99 182.11,62.15 181.83,62.15 181.83,62.99 181.6,62.99 181.6,62.13 179.07,62.13 179.07,62.15 181.33,62.15 181.33,62.99 181.1,62.99 181.1,62.15 180.82,62.15 180.82,62.99 180.61,62.99 180.61,62.15 180.33,62.15 180.33,62.99 180.11,62.99 180.11,62.15 179.07,62.15 179.07,62.82 179.35,63.1 182.52,63.1
N17039283 on BOTTOM (solid shape): 182.62,60.62 182.62,56.71 182.5,56.59 179.53,56.59 179.28,56.85 179.28,60.48 179.45,60.65 182.6,60.65
N17039359 on TOP (solid shape): 182.61,76.7 182.61,67.1 182.36,67.1 182.33,67.12 182.33,68.01 182.28,68.06 182.16,68.06 182.11,68.01 182.11,67.12 182.09,67.1 181.83,67.1 181.83,68 181.78,68.05 181.66,68.05 181.61,68 181.61,67.1 181.35,67.1 181.32,67.12 181.32,68.03 181.27,68.08 181.16,68.08 181.11,68.03 181.11,67.1 180.85,67.1 180.82,67.12 180.82,68.06 180.77,68.11 180.65,68.11 180.6,68.06 180.6,67.12 180.58,67.1 180.35,67.1 180.33,67.11 180.33,68.07 180.28,68.12 180.15,68.12 180.1,68.07 180.1,67.1 173.38,67.1 173.38,77.35 173.61,77.58 181.73,77.58
N17054061 on TOP (solid shape): 136.59,21.49 136.63,21.47 136.64,21.44 136.64,20.7 136.87,20.7 136.87,21.44 136.88,21.47 136.92,21.49 137.1,21.49 137.13,21.47 137.15,21.44 137.15,20.73 137.38,20.73 137.38,21.44 137.39,21.47 137.43,21.49 137.58,21.49 137.62,21.47 137.63,21.44 137.63,20.73 137.86,20.73 137.86,21.44 137.88,21.47 137.91,21.49 138.11,21.49 138.11,21.49 138.2,21.49 138.35,21.34 141.78,21.34 141.96,21.16 141.96,18.97 141.91,18.92 136.44,18.92 136.4,18.94 136.39,18.97 136.39,21.44 136.4,21.47 136.44,21.49
N17063199 on TOP (solid shape): 81.87,32.11 81.87,28.09 82.54,27.43 82.54,26.97 82.71,26.8 83.4,26.8 83.45,26.75 83.45,26.59 83.4,26.54 82.31,26.54 81.77,27.08 80.96,27.08 80.86,27.18 80.86,32.16 80.96,32.26 81.72,32.26
N17063215 on TOP (solid shape): 87.72,30.89 87.72,27.64 87.64,27.56 86.88,27.56 86.37,27.05 85.71,27.05 85.66,27.1 85.66,27.53 85.76,27.64 85.76,30.94 85.86,31.04 87.56,31.04
N17063497 on TOP (solid shape): 85.51,28.73 85.51,27.97 85.35,27.81 83.75,27.81 83.48,27.53 83.48,27.13 83.4,27.05 82.87,27.05 82.79,27.13 82.79,27.66 82.71,27.74 82.71,28.91 82.79,28.98 85.25,28.98
N17068696 on TOP (solid shape): 134.96,102.79 140.7,102.79 140.83,102.67 140.83,101.9 140.7,101.78 135.09,101.78 134.86,102.01 134.86,102.41 134.55,102.72 133.82,102.72 133.79,102.74 133.79,102.92 133.82,102.95 134.81,102.95
N17068710 on TOP (solid shape): 131.61,102.41 131.61,99.06 131.4,98.86 129.7,98.86 129.4,99.16 129.4,102.12 129.44,102.16 130.25,102.16 130.56,102.46 131.56,102.46
N17068920 on TOP (solid shape): 134.43,102.41 134.43,99.36 134.35,99.29 134.35,98.35 134.3,98.3 133.89,98.3 133.84,98.35 133.84,102.41 133.89,102.46 134.38,102.46
N17081159 on TOP (solid shape): 21.84,16.96 21.84,14.94 21.79,14.88 20.78,14.88 20.7,14.96 20.7,16.4 20.5,16.6 19.78,16.6 19.78,16.6 18.07,16.6 18.07,16.6 17.37,16.6 17.37,16.6 15.65,16.6 15.65,16.6 3.76,16.6 3.61,16.75 3.61,17.9 3.84,18.12 20.68,18.12
N17117575 on TOP (solid shape): 16.56,106.02 16.56,104.88 16.38,104.7 12.9,104.7 12.69,104.65 12.51,104.53 10.33,102.35 9.41,101.85 8.38,101.68 6.36,101.68 4.91,102.35 4.32,103.84 4.32,105.77 5.31,107.9 7.49,108.76 13.82,108.76
N17188296 on TOP (solid shape): 171.98,106.16 171.98,104.71 172.16,104.54 173.51,104.54 173.74,104.31 173.74,101.49 173.61,101.36 169.57,101.36 169.39,101.54 169.39,105.53 171.65,105.53 171.65,105.83 171.27,105.83 171.27,105.53 169.39,105.53 169.39,106.14 169.54,106.29 171.86,106.29
N17188465 on TOP (solid shape): 179.5,108.09 179.5,101.74 179.35,101.59 177.7,101.59 177.57,101.72 177.57,108.02 177.8,108.24 179.35,108.24
N17188761 on TOP (solid shape): 184.58,107.96 184.58,102.53 184.15,102.1 182.96,102.1 182.65,102.4 182.65,108.07 182.8,108.22 184.33,108.22
N17216381 on BOTTOM (solid shape): 101.26,88.16 101.26,86.11 101.18,86.03 99.96,86.03 99.86,86.13 99.86,86.82 100.01,86.97 100.39,86.97 100.72,87.3 100.72,88.16 100.82,88.27 101.15,88.27
N17216385 on BOTTOM (solid shape): 99.35,88.16 99.35,87.27 99.55,87.07 99.55,85.93 99.93,85.55 99.93,83.72 99.2,82.98 99.2,82.58 99.11,82.51 99.05,82.47 99.04,82.45 99.02,82.45 98.24,82.45 98.22,82.47 97.68,82.47 97.66,82.49 97.66,83.93 97.67,83.95 97.67,84.35 98.04,84.72 98.04,88.02 98.31,88.29 99.22,88.29
N17216496 on BOTTOM (solid shape): 99.38,93.9 99.38,89.84 99.35,89.81 98.16,89.81 97.42,90.55 97.42,91.82 97.45,91.85 97.46,91.85 97.83,92.25 97.46,92.66 97.45,92.66 97.42,92.69 97.42,94.6 97.46,94.64 98.64,94.64
GND on ART05 (solid shape): 40.66,8 40.7,7.99 40.71,7.95 40.71,5.19 40.7,5.15 40.66,5.14 34.04,5.14 34,5.15 33.99,5.19 33.99,7.95 34,7.99 34.04,8
FPGA_TCK on TOP (solid shape): 26.11,104.34 26.1,104.27 26.03,104.26 24.52,104.88 24.98,105.39 25.48,105.85
FPGA_TDI on TOP (solid shape): 36.49,105.43 36.53,105.38 36.49,105.32 35.41,104.87 35.14,105.38 35.41,105.88
FPGA_TDO on TOP (solid shape): 26.55,106.28 26.56,106.35 26.63,106.36 27.71,105.91 27.54,105.36 27,105.2
FPGA_TMS on TOP (solid shape): 30.97,106.36 31.04,106.35 31.06,106.28 30.61,105.2 30.06,105.36 29.9,105.91
SMA_REFCLK_LVCMOS1V8 on TOP (solid shape): 60.29,106.48 60.33,106.42 60.29,106.36 59.01,105.83 58.61,106.42 59.01,107.01
N17081235 on TOP (solid shape): 5.26,15.89 5.4,15.86 5.43,15.72 4.97,14.61 4.35,14.8 4.15,15.43
N17081237 on TOP (solid shape): 10.68,14.33 10.69,14.17 10.54,14.13 9.54,14.54 9.42,14.84 10.02,15.08
N17081241 on TOP (solid shape): 12.98,15.63 13.13,15.59 13.13,15.43 12.53,14.62 11.96,14.81 11.98,15.21
N17188545 on TOP (solid shape): 186.84,107.05 186.35,105.88 186.24,105.8 186.12,105.88 185.63,107.05 186.24,107.39
N17188811 on TOP (solid shape): 181.76,107.05 181.27,105.88 181.16,105.8 181.04,105.88 180.55,107.05 181.16,107.39

Small or netless copper shapes (teardrops, artwork), in the pictures only: 61 on TOP

## Text on the board
BOTTOM: PCIE3_0_X16_V1_0 ARTWORK BOTTOM
Package Geometry/Pastemask Bottom: PCIE3_0_X16_V1_0 PASTEMASK BOTTOM
Ref Des/Silkscreen Bottom: PCIE3_0_X16_V1_0 SILKSCREEN BOTTOM
User.Comments: PCIE3_0_X16_V1_0 SOLDMASK TOP | PCIE3_0_X16_V1_0 SOLDMASK BOTTOM
TOP: PCIE3_0_X16_V1_0 ARTWORK TOP
Package Geometry/Pastemask Top: PCIE3_0_X16_V1_0 PASTEMASK TOP
Ref Des/Silkscreen Top: + | GND | VTT | 1 | VCC2V5 | VTTVREF_DDR4_2 | VCC1V2 | 0V85 | VCC3V3 | MGTAVCC | VTTDDR4_2 | VCC1V5_MGT | VCC1V8 | VCC12V_FAN | PCIE3.0_X16 V1.0 | PCIE3_0_X16_V1_0 SILKSCREEN TOP
GND02: PCIE3_0_X16_V1_0 GROUND PLANE02
ART03: PCIE3_0_X16_V1_0 ARTWORK LAYER03
GND04: PCIE3_0_X16_V1_0 GROUND PLANE04
ART05: PCIE3_0_X16_V1_0 ARTWORK LAYER05
GND06: PCIE3_0_X16_V1_0 GROUND PLANE06
POWER07: PCIE3_0_X16_V1_0 POWER PLANE07
POWER08: PCIE3_0_X16_V1_0 POWER PLANE08
GND09: PCIE3_0_X16_V1_0 GROUND PLANE09
ART10: PCIE3_0_X16_V1_0 ARTWORK LAYER10
GND11: PCIE3_0_X16_V1_0 GROUND PLANE11
ART12: PCIE3_0_X16_V1_0 ARTWORK LAYER12
GND13: PCIE3_0_X16_V1_0 GROUND PLANE13
DIMENSION: PCIE3_0_X16_V1_0 DRILL CHART | 1--ARTWORK TOP | 2--GROUND PLANE02 | 3--ARTWORK LAYER03 | 4--GROUND PLANE04 | 5--ARTWORK LAYER05 | 6--GROUND PLANE06 | 7--POWER PLANE07 | 8--POWER PLANE08 | 9--GROUND PLANE09 | 10--ARTWORK LAYER10 | 11--GROUND PLANE11 | 12--ARTWORK LAYER12 | 13--GROUND PLANE13 | 14--ARTWORK BOTTOM
PLACE_BOUND_TOP: MH1 | MH2 | J1 | Designator1103 | U21 | U22 | U3 | P2 | 1 | 8 | Designator9 | MH4 | MH3 | C308 | * | U14 | U16 | U17 | U15 | U29 | U31 | 9 | 7 | U11 | U7 | 3 | T | R | E | A | K | U12 | U6 | U9 | U4 | U1 | U10 | U5 | U8 | U13 | U34 | AW | 39 | D5 | L38 | J5 | 39301040 | 19 | 38 | 20 | J3 | J4 | P1 | U2 | H
DEVICE_TYPE_BOTTOM: MH1 | R1262 | R1260 | R1261 | R1263 | JTAG | J1 | DS14 | 19 | 1 | 20 | 38 | DS12 | DS13 | C1571 | DS4 | C1572 | C2506 | L236 | C375 | L232 | L231 | C2507 | C376 | C1565 | L235 | C1566 | L13 | L12 | L230 | L229 | TP175 | J3 | J4 | R168 | R167 | TP173 | R22 | L4 | R845 | C1491 | C353 | C354 | L6 | L5 | R21 | R20 | C1420 | L150 | R134 | R147 | C328 | R132 | R151 | R149 | R19 | U134 | C1422 | X3 | L238 | 4 | 3 | R146 | R1280 | C335 | C333 | C331 | R101 | C243 | C343 | C342 | C247 | 34 | R103 | C237 | 8 | C246 | R1281 | C249 | C250 | R1282 | C1375 | C211 | C236 | R104 | R88 | R105 | R98 | R86 | X1 | C1277 | R670 | C1374 | C1373 | R667 | C1219 | 6 | C1220 | C1494 | C1372 | L144 | R612 | VCCINT | C1503 | C1516 | TP95 | C1542 | C1544 | C1500 | L117 | TP170 | GND | C1519 | C1521 | TP166 | L201 | C1215 | C1224 | C1197 | C1189 | R911 | C1547 | C1247 | C1241 | C1222 | C1223 | C1246 | C1248 | TP161 | R894 | C1523 | R881 | C1196 | C1194 | C1527 | C1528 | C1506 | C1534 | C1535 | J59 | C550 | L48 | 2 | C1257 | C1251 | C552 | C2513 | C1255 | C1256 | R250 | 12V_FAN | C1267 | C1261 | R778 | MH3 | TP39 | C1531 | R899 | R251 | 12V | L52 | 5 | Q8 | R906 | L237 | FAN | C1539 | C1266 | C1265 | J19 | MH4 | P1 | * | U154 | D1 | D2 | D3 | D4 | U249 | U131 | T | K | A | E | R | 9 | U3 | 7 | U11 | U1 | U4 | U13 | U6 | U12 | U5 | U9 | U7 | U10 | U2 | U129 | U8 | U150 | Q19 | Q3 | L119 | Q2 | Q1 | L233 | L234 | Q9 | J63 | AP | MH2 | C1432 | R755 | R1273 | R1266 | C1573 | C1575 | C2510 | C2508 | C1569 | C1567 | C377 | C373 | R181 | C1492 | R1016 | R1026 | C2502 | R1018 | R1009 | R179 | C2505 | C355 | C363 | C357 | C1392 | C1421 | C338 | C329 | C337 | R748 | C340 | C341 | C1393 | R1284 | C251 | C1407 | C1399 | C252 | C303 | R1244 | C334 | R1245 | R1279 | R145 | R150 | R127 | C327 | R126 | R142 | R138 | R153 | R156 | R139 | R133 | R129 | R131 | R158 | R140 | R128 | R82 | R94 | R112 | R85 | R83 | R87 | R726 | R93 | R727 | R110 | R728 | R107 | C1377 | R92 | C1376 | R96 | C1493 | R81 | R80 | L239 | C239 | U110 | C1214 | C1388 | MGTAVTT | C1275 | R1285 | R99 | C1212 | R843 | C1211 | C240 | C244 | C242 | C1276 | C1279 | R607 | R611 | R608 | R723 | R664 | TP97 | TP105 | DDR4_2V5 | DS9 | R626 | R628 | MGTAVCC | TP163 | DDR4_1V2 | DS3 | R36 | TP160 | R39 | DS2 | R35 | R38 | TP168 | DS1 | R9 | R12 | R701 | DS11 | C1546 | R926 | R919 | + | C1563 | C1548 | R915 | R895 | R601 | C1552 | C1522 | R585 | R889 | C1188 | VCC1V8 | C1550 | C1524 | C1505 | R631 | R580 | TP162 | C549 | VCC3V3 | TP171 | R241 | R239 | R247 | R245 | C1530 | R916 | R1251 | TP172 | C1553 | C1532 | C1538 | R918 | C1554 | R1252 | R917 | C1540 | R902 | D5 | B1 | B11 | B12 | U14 | B49 | U117 | U111 | U108 | U114 | U115 | U116 | H
User.14: FIGURE | SIZE | 8.0 | 10.0 | 12.0 | 35.0 | 36.0 | 37.0 | 37.4 | 41.34 | 42.0 | 47.24 | 55.0 | 59.0 | 70.87 | 120.0 | 125.0 | 60.98 | 62.99 | 80.0 | 118.11 | DRILL CHART: TOP to BOTTOM | ALL UNITS ARE IN MILS | TOLERANCE | +0.0/-0.0 | +2.0/-2.0 | PLATED | NON-PLATED | QTY | 3028 | 1150 | 113 | 8 | 4 | 10 | 20 | 26 | 12 | 1 | 2
